# Altium PCB FPGA核心板.PcbDoc (part 2 of 3)
Units mil, origin at the board's own origin, x right, y up, seen from the top; angles counter-clockwise.
Board outline 3937.01 x 3937.01 mil, 4 copper layers (Top Layer, Layer 1, Layer 2, Bottom Layer), stack 23.756 mil thick; 164 components, 255 nets, 1024 pads, 373 vias.
Unrouted connection lines stored in the file: 1.
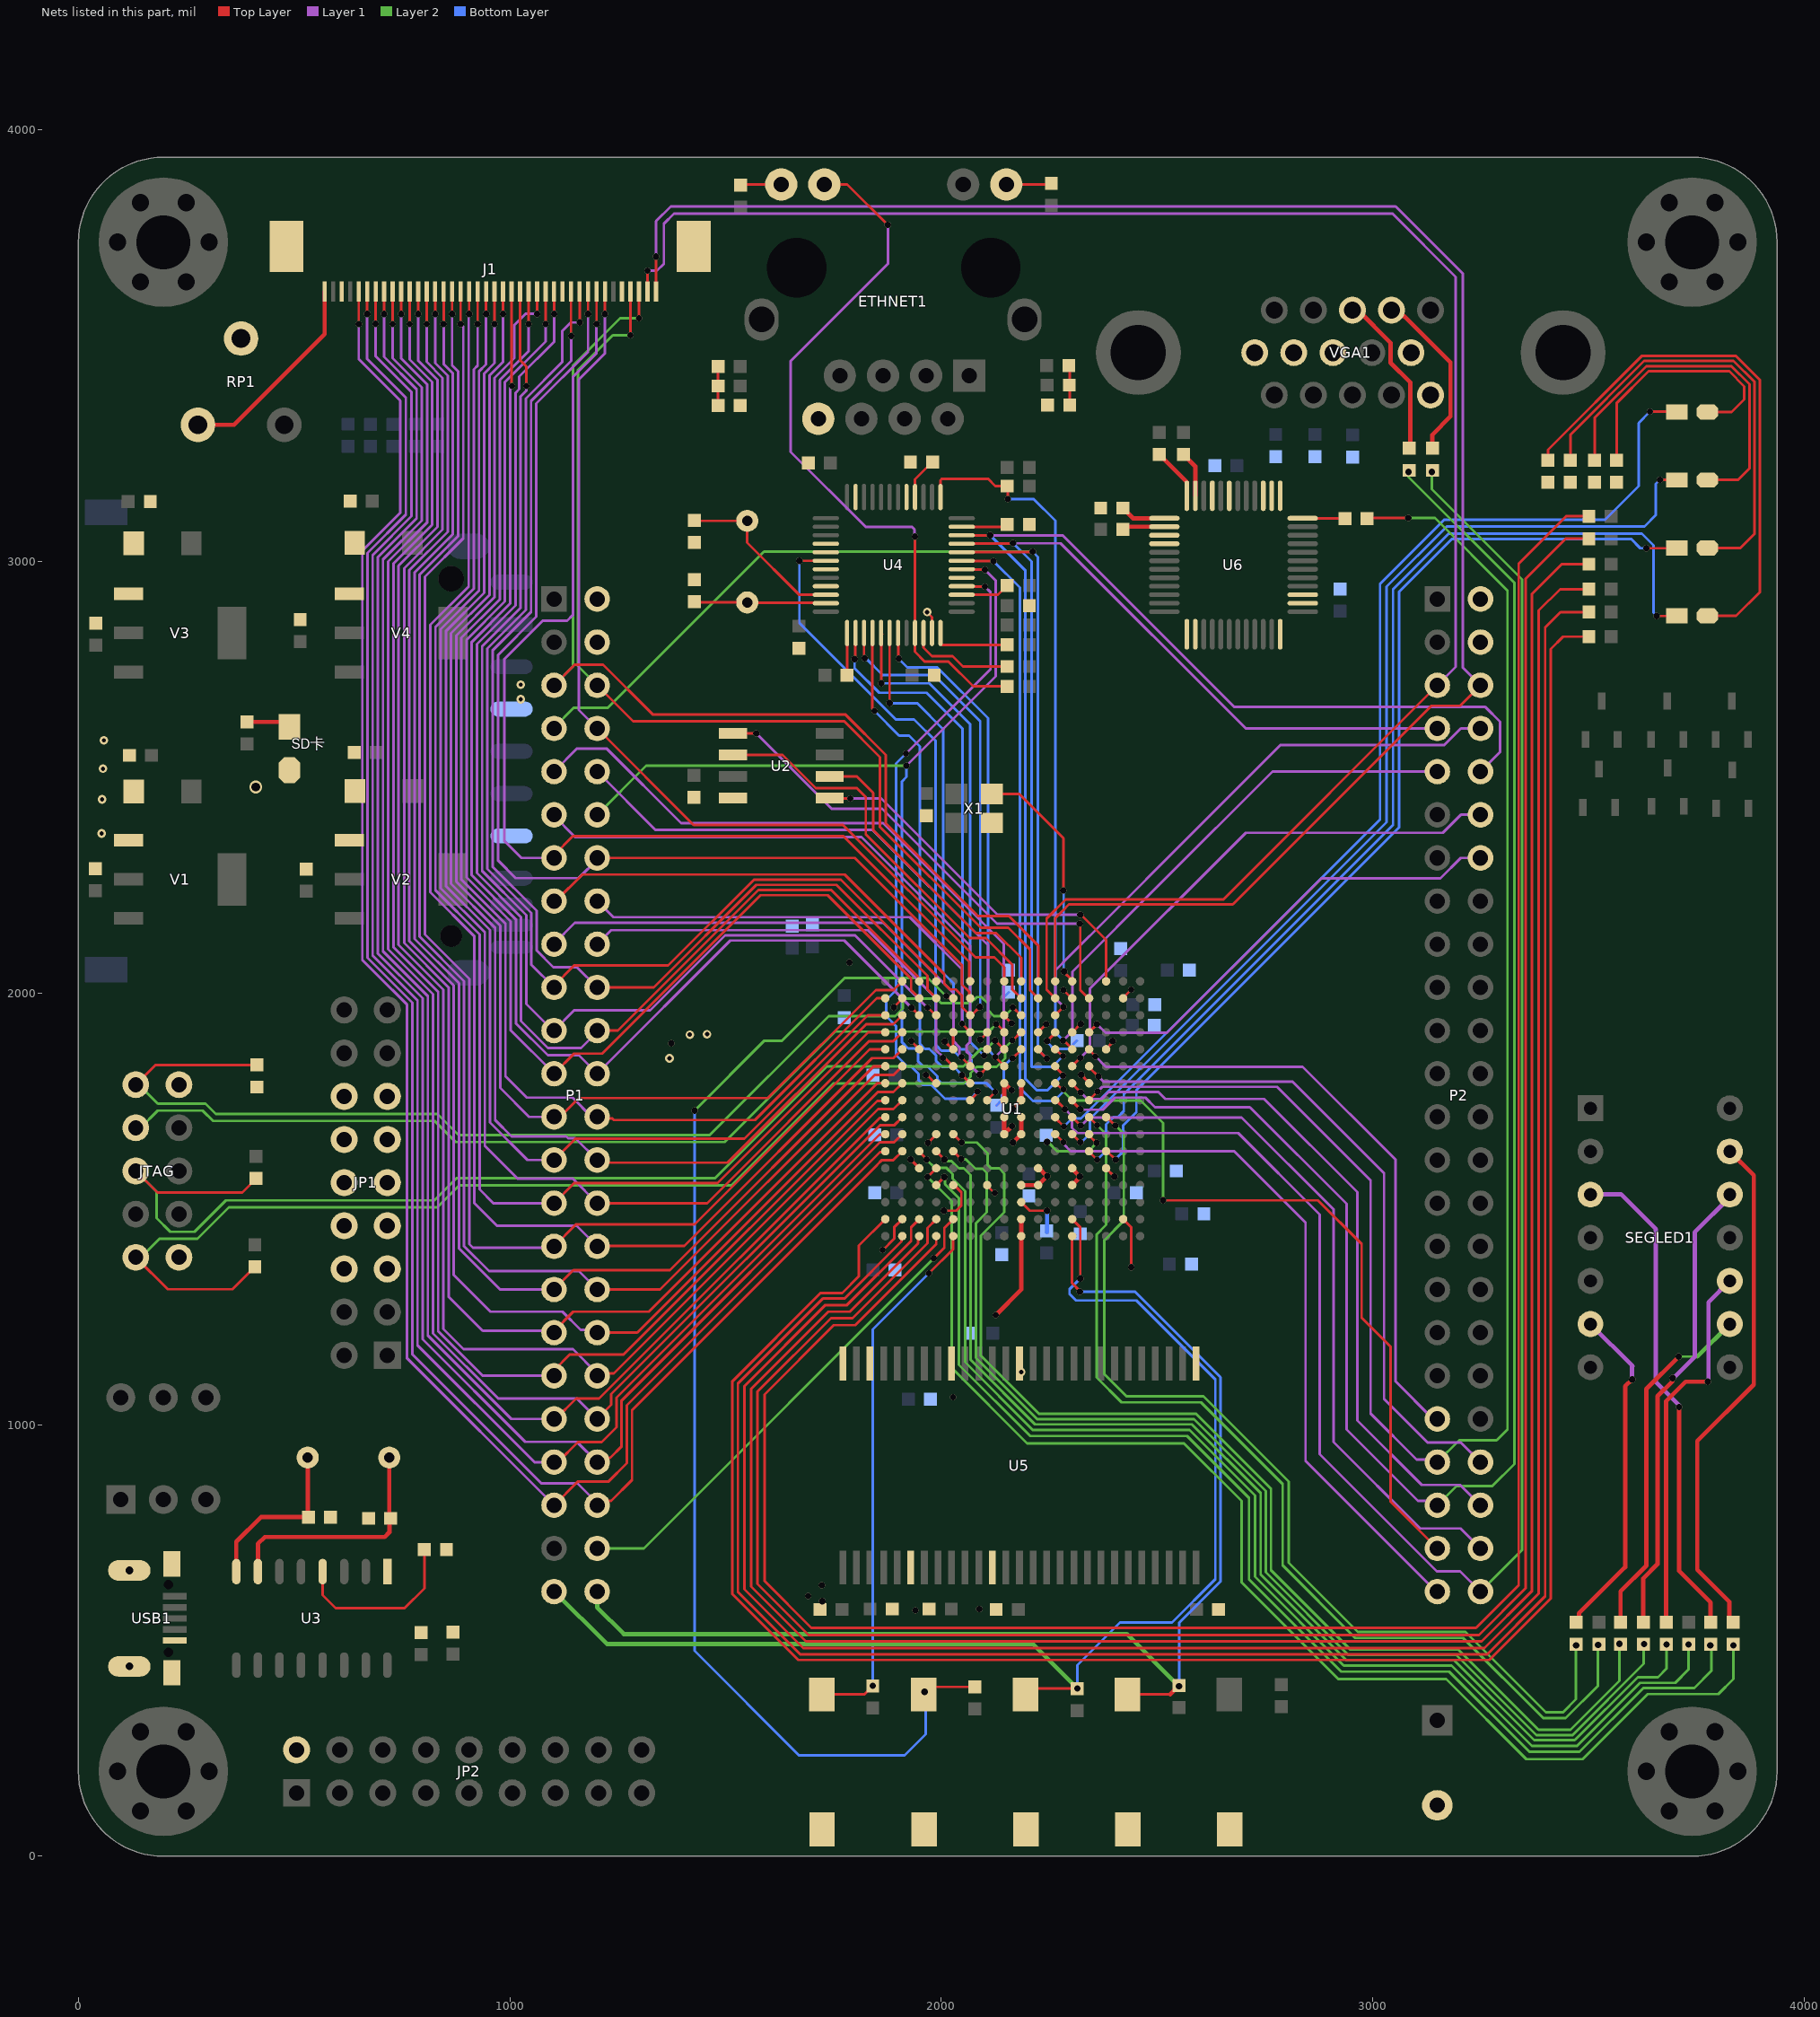
[diagram p4: the nets of this part, all layers, seen from the top]

## Via types
v1: diameter 15, hole 15, Top Layer to Bottom Layer, tented both sides, 180 vias
v2: diameter 15, hole 15, Top Layer to Bottom Layer, 151 vias
v3: diameter 20, hole 10, Top Layer to Bottom Layer, tented both sides, 34 vias
v4: diameter 30, hole 20, Top Layer to Bottom Layer, tented both sides, 8 vias

## Nets (pads, with @x,y where several pads share a name; then routed paths per layer and width w, separated by ;. In a path a pad name is that pad's centre, name@x,y a point inside that pad or via, vN(x,y) a via of type N, cw(c..) or ccw(c..) an arc to the next point about the centre after c; other vN are vias at no path point) (continued)
D4: P2.14 U1.D4 | length 1091.3
  Top Layer w6: U1.D4@2342.52,1909.45 2342.52,1909.73 2360.5,1927.71 v2(2360.5,1928)
  Layer 1 w6: v2(2360.5,1928) 2380.5,1908 2523,1908 2881.12,2266.12 3156.82,2266.12 3204.09,2313.39 P2.14@3249.61,2313.39
D5: P2.39 U1.D5 | length 1464.6
  Top Layer w6: U1.D5@2342.52,1870.08 2342.52,1868.48 2357,1854 v2(2357,1853)
  Layer 1 w6: v2(2357,1853) 2358,1853 2381.5,1829.5 2837.5,1829.5 3053,1614 3053,1100 3139.61,1013.39 P2.39@3149.61,1013.39
D6: P2.42 U1.D6 | length 1600
  Top Layer w6: U1.D6@2342.52,1830.71 2342.52,1828.48 v2(2364,1807)
  Layer 1 w6: v2@2361,1811 2361,1810 2376,1795 2814,1795 3026,1583 3026,1060 3127,959 3203.99,959 P2.42@3249.61,913.39
D8: P2.41 R18.2 U1.D8 | length 4029.9
  Top Layer w6: U1.D8@2342.52,1751.97 2342.52,1752.52 v2(2362,1772) ; R18.2@2986.59,3100 2987.59,3101 v1(3082.46,3101)
  Layer 1 w6: v2(2362,1772) 2373,1783 2778,1783 2995,1566 2995,1026 3101.59,919.41 3143.59,919.41 P2.41@3149.61,913.39
  Layer 2 w6: v1(3082.46,3101) 3144,3101 3312,2933 3312,989 3287,964 3200.22,964 P2.41@3149.61,913.39
E5: P2.9 R10.1 U1.E5 U4.25 | length 2810.3
  Top Layer w6: U4.25@1998.03,3149.59 1998.03,3188.49 2001.55,3192 2108,3192 2125,3175 R10.1@2152.82,3175 2154,3173.81 v1(2154,3145) ; v2@2284,1890 2303.15,1870.85 U1.E5@2303.15,1870.08
  Layer 1 w6: v2(2282,1890) 2304,1912 2304,2050 2507.99,2253.99 2767.39,2513.39 P2.9@3149.61,2513.39
  Bottom Layer w6: v1(2154,3145) 2214,3145 2264,3095 2264,1909 2282,1891 v2(2282,1890)
E6: P2.12 U1.E6 | length 1268.9
  Top Layer w6: U1.E6@2303.15,1830.71 2303.15,1831.15 v2(2322,1850)
  Layer 1 w6: v2(2322,1850) 2344,1872 2344,2010 2705.62,2371.62 3162.32,2371.62 3204.09,2413.39 P2.12@3249.61,2413.39
E7: P2.44 U1.E7 | length 1675.5
  Top Layer w6: U1.E7@2303.15,1791.34 2303.15,1789.85 v2(2323,1770)
  Layer 1 w6: v2(2323,1770) 2338,1755 2372,1755 2388,1771 2503,1771 2519,1755 2748,1755 2964,1539 2964,1010 3113.52,860.48 3202.51,860.48 P2.44@3249.61,813.39
E8: P2.43 R26.1 U1.E8 | length 4184.1
  Top Layer w6: U1.E8@2303.15,1751.97 2303.15,1749.85 v2(2322,1731)
  Layer 1 w6: v2@2322,1730 2374,1730 2402,1758 2473,1758 2495,1736 2715,1736 2939,1512 2939,989 3104.46,823.54 3139.45,823.54 P2.43@3149.61,813.39
  Layer 2 w6: v1(3083,3208) 3083,3196 3328,2951 3328,909 3276.77,857.77 3193.99,857.77 P2.43@3149.61,813.39
E9: P2.46 U1.E9 | length 1691.8
  Top Layer w6: U1.E9@2303.15,1712.6 2303.4,1712.6 v2(2323,1693)
  Layer 1 w6: v2(2323,1693) 2324,1693 2343,1712 2696,1712 2909,1499 2909,960 3109.23,759.77 3203.22,759.77 P2.46@3249.61,713.39
E15: KEY1.2 P1.47 R39.2 U1.E15 | length 2962
  Top Layer w6: KEY1.2@2208.83,388.59 R39.2@2315,388.59 ; U1.E15@2303.15,1476.38 2322,1457.53 v2(2322,1339)
  Top Layer w10: KEY1.2@2195.24,375 KEY1.2@2208.83,388.59
  Layer 2 w10: P1.47@1102.36,613.39 1103.61,613.39 1225,492 2212,492 v1(2315,389)
  Bottom Layer w6: v1(2315,389) 2315,443 2414,542 2535,542 2635,642 2635,1105.03 2452.03,1288 2312,1288 2297,1303 2297,1314 v2(2322,1339)
E16: KEY0.2 P1.48 R38.2 U1.E16 | length 2889.3
  Top Layer w6: U1.E16@2303.15,1437.01 2303.15,1327.85 2321,1310 v2(2321,1308) ; KEY0.2@2431.46,375 2530.42,375
  Top Layer w10: 2530.42,375 R38.2@2551,395.59
  Layer 2 w10: P1.48@1202.36,613.39 1202.36,576.64 1264,515 2430,515 v1(2551,394)
  Bottom Layer w6: v2(2321,1308) 2449,1308 2647,1110 2647,637.03 2551,541.03 v1(2551,394)
EPCS_ASDO: U1.C1 U2.5 | length 872.5
  Top Layer w6: U2.5@1741.41,2452 1742.41,2451 v1(1789,2451) ; v2(2322,2182) 2323.33,2182 2381.89,2123.45 U1.C1@2381.89,2027.56
  Layer 1 w6: v1(1789,2451) 1861,2451 2130,2182 v2(2322,2182)
EPCS_CLK: U1.H1 U2.6 | length 722.3
  Top Layer w6: U2.6@1741.41,2502 1804,2502 1842,2464 1842,2378 2080.5,2139.5 2127.3,2139.5 2185.04,2081.76 U1.H1@2185.04,2027.56
EPCS_CS: U1.D2 U2.1 | length 1169.4
  Top Layer w6: U2.1@1517,2602 v1(1571,2602) ; v2(2321,2161) 2321.99,2160.01 2321.99,2007.01 2340.81,1988.19 U1.D2@2342.52,1988.19
  Layer 1 w6: v1(1571,2602) 1746,2427 1863,2427 2129,2161 v2(2321,2161)
EPCS_DATA0: U1.H2 U2.2 | length 985.5
  Top Layer w6: U2.2@1517,2552 1631.75,2552 1708.75,2475 1804,2475 1825,2454 1825,2368 2065.5,2127.5 2103,2127.5 2164.51,2065.99 2164.51,2008.72 U1.H2@2185.04,1988.19
ETH_RESET: P1.17 U1.L6 U4.42 | length 2610.9
  Top Layer w6: v1(1671,3002) U4.42@1732.3,3001.97 ; v2(2047,1852) 2047,1851.07 2066.93,1831.14 U1.L6@2066.93,1830.71
  Layer 1 w6: P1.17@1102.36,2113.39 1102.36,2114.85 1150.51,2163 1865.47,2163 2028.07,2000.4 2028.07,1986.73 2028.03,1986.7 2028.03,1888.97 2042,1875 2042,1859.44 2047,1854.44 v2(2047,1852)
  Bottom Layer w6: v1(1671,3002) 1671,2857.67 1894.67,2634 1937,2634 1987,2584 1987,1880 2000,1867 2028.03,1867 2043.03,1852 v2(2047,1852)
ETH_RXC: U1.L8 U4.16 | length 1528.7
  Top Layer w6: U4.16@2047.23,2942.91 2047.68,2942.46 2100.54,2942.46 v1(2101,2942) ; U1.L8@2066.93,1751.97 2082.28,1767.32 2082.28,1770.28 v2(2084,1772)
  Layer 1 w6: v1(1918,2555) 2114,2751 2114,2929 v1(2101,2942)
  Bottom Layer w6: v1(1918,2555) 1895,2532 1895,2007 1872,1984 1872,1946.5 1895,1923.5 1895,1856 1921,1830 1930,1830 1947,1813 1947,1798 1957,1788 1976,1788 2008.5,1755.5 2067.5,1755.5 v2(2084,1772)
ETH_RXD0: P2.7 U1.F5 U4.21 | length 2621.3
  Top Layer w6: U4.21@2047.23,3041.34 2047.96,3042.07 2165.07,3042.07 v1(2166,3043) ; U1.F5@2263.78,1870.08 2264.92,1870.08 2281,1854 v2(2282,1854)
  Layer 1 w6: v1@2165.54,3042.54 2276.46,3042.54 2705.61,2613.39 P2.7@3149.61,2613.39
  Bottom Layer w6: v1(2166,3043) 2209,3000 2209,1829 2257,1829 v2(2282,1854)
ETH_RXD1: P1.7 U1.G5 U4.20 | length 2663.8
  Top Layer w6: U4.20@2047.23,3021.65 2047.9,3022.33 2211.33,3022.33 v1(2212,3023) ; U1.G5@2224.41,1870.08 2224.41,1868.83 v2(2244.72,1848.51)
  Layer 2 w6: P1.7@1102.36,2613.39 1102.36,2615.36 1148,2661 1227,2661 1589,3023 v1(2212,3023)
  Bottom Layer w6: v1(2212,3023) 2224,3011 2224,1869.23 v2(2244.72,1848.51)
ETH_RXD2: P2.45 U1.F7 U4.19 | length 3199.2
  Top Layer w6: U4.19@2047.23,3001.97 2047.71,3001.48 2120.52,3001.48 v1(2121,3001) ; U1.F7@2263.78,1791.34 2265.66,1791.34 2280,1777 v2(2283,1777) ; v1(2514,1520) 2873,1520 2974,1419 2974,1248 3041,1181 3041,821.99 P2.45@3149.61,713.39
  Layer 2 w6: v2(2283,1777) 2283,1772 2304,1751 2462,1751 2514,1699 v1(2514,1520)
  Bottom Layer w6: v1(2121,3001) 2182,2940 2182,1779 2183,1779 2212,1750 2261,1750 2283,1772 v2(2283,1777)
ETH_RXD3: P1.12 U1.K8 U4.18 | length 2321.5
  Top Layer w6: U4.18@2047.23,2982.28 2047.87,2981.64 2100.36,2981.64 v1(2101,2981) ; U1.K8@2106.3,1751.97 2106.3,1752.3 v2(2125,1771)
  Layer 1 w6: v1(1919,2527) 2126,2734 2126,2956 v1(2101,2981)
  Layer 2 w6: P1.12@1202.36,2413.39 1315.98,2527 v1(1919,2527)
  Bottom Layer w6: v1(1919,2527) 1919,2501 1909,2491 1909,1886 1923,1872 1940,1872 1946.51,1865.49 1946.51,1860.51 1946.42,1860.42 1946.42,1841.58 1958,1830 1968,1830 1990.5,1807.5 1990.5,1801.17 2000.17,1791.5 2104.5,1791.5 v2(2125,1771)
ETH_RXDV: P2.10 U1.F6 U4.22 | length 2996.2
  Top Layer w6: U4.22@2047.23,3061.02 v1(2113,3061) ; U1.F6@2263.78,1830.71 2263.78,1829.22 2282,1811 v2(2282,1809)
  Layer 1 w6: v1(2113,3061) 2281,3061 2679,2663 3261,2663 3295,2629 3295,2558.78 P2.10@3249.61,2513.39
  Bottom Layer w6: v1(2113,3061) 2195,2979 2195,1801 2221,1775 2246,1775 2280,1809 v2(2282,1809)
ETH_TXC: P1.9 U1.J6 U4.7 | length 2669.3
  Top Layer w6: U4.7@1899.61,2834.66 1900.3,2833.96 1900.3,2776.2 v1(1901.5,2775) ; v2(2125,1852) 2145.67,1831.33 U1.J6@2145.67,1830.71
  Layer 1 w6: P1.9@1102.36,2513.39 1155.98,2567 1224,2567 1397,2394 1865,2394 2145,2114 2145,1872 v2(2125,1852)
  Bottom Layer w6: v1(1901.5,2775) 1901.5,2774.5 1921,2755 1990.44,2755 2108,2637.44 2108,1869.33 2125,1852.33 v2(2125,1852)
ETH_TXD0: P1.11 U1.K6 U4.6 | length 2589
  Top Layer w6: U4.6@1879.92,2834.66 1881,2833.58 1880,2832.58 v1(1880,2672) ; v2(2089,1811) 2106.3,1828.3 U1.K6@2106.3,1830.71
  Layer 1 w6: P1.11@1102.36,2413.39 1102.36,2410.64 1151,2362 1815,2362 2067,2110 2067,1887 2058,1878 2058,1865 2067,1856 2067,1833 v2(2089,1811)
  Bottom Layer w6: v1(1880,2672) 1944,2672 2004.5,2611.5 2004.5,2046.5 2028.07,2022.93 2028.07,1986.73 2028.03,1986.7 2028.03,1887.63 2045.67,1870 2056.03,1870 2070,1856.03 2070,1830 v2(2089,1811)
ETH_TXD1: P1.10 U1.K5 U4.5 | length 2495.4
  Top Layer w6: U4.5@1860.24,2834.66 1863,2831.9 1861,2829.9 v1(1861,2718) ; v2(2099,1855) 2100.72,1856.72 2100.72,1860.8 2105.92,1866 U1.K5@2105.92,1870.08
  Layer 1 w6: P1.10@1202.36,2513.39 1337.75,2378 1841,2378 2108,2111 2108,1867 2099,1858 v2(2099,1855)
  Bottom Layer w6: v1(1861,2718) 1972.28,2718 2067,2623.28 2067,1887 v2(2099,1855)
ETH_TXD2: U1.L7 U4.4 | length 1173.4
  Top Layer w6: U4.4@1840.55,2834.66 1839.82,2833.93 1839.82,2659.18 v1(1844.91,2654.09) ; v2(2048,1810) 2066.66,1791.34 U1.L7@2066.93,1791.34
  Bottom Layer w6: v1(1844.91,2654.09) 1902,2597 1924.99,2597 1950,2571.99 1950,1883 1962,1871 1972.33,1871 1987.5,1855.83 1987.5,1843.17 2001.67,1829 2029,1829 v2(2048,1810)
ETH_TXD3: P1.15 U1.L3 U4.3 | length 2233.7
  Top Layer w6: P1.15@1102.36,2213.39 1106.39,2213.39 1167.86,2274.86 1479.32,2274.86 1479.46,2275 1776,2275 2007.03,2043.97 2007.03,2021.44 2019.75,2008.72 2033.68,2008.72 2048.09,1994.31 2048.09,1967.66 U1.L3@2066.93,1948.82 2069.82,1948.82 v2(2089,1968) ; U4.3@1820.87,2834.66 1820.87,2777.63 v1(1822.5,2776)
  Bottom Layer w6: v1(1822.5,2776) 1825,2776 1864,2737 1982.98,2737 2090,2629.98 2090,1969 v2(2089,1968)
ETH_TXEN: P1.16 U1.L4 U4.2 | length 2139.6
  Top Layer w6: v1(1799,2774.25) 1800.45,2775.69 1800.45,2833.93 U4.2@1801.18,2834.66 ; v2(2048,1929) 2066.93,1910.07 U1.L4@2066.93,1909.45
  Layer 1 w6: P1.16@1202.36,2213.39 1239.75,2176 1927,2176 2048,2055 v2(2048,1929)
  Bottom Layer w6: v1(1799,2774.25) 1799,2753 1856,2696 1966,2696 2049,2613 2049,1930 v2(2048,1929)
F1: J1.40 P2.6 U1.F1 | length 4437.8
  Top Layer w6: J1.40@1338.58,3626.05 1339,3626.47 v1(1339,3707) ; U1.F1@2263.78,2027.56 2263.78,2173.78 2280.24,2190.24 2295.5,2205.5 2675.5,2205.5 3136,2666 3202.22,2666 P2.6@3249.61,2713.39
  Layer 1 w6: v1(1339,3707) 1339,3789 1373,3823 3053,3823 3209,3667 3209,2753.99 P2.6@3249.61,2713.39
F2: J1.39 P2.5 U1.F2 | length 4377.2
  Top Layer w6: J1.39@1318.9,3626.05 1319,3626.15 v1(1319,3674) ; U1.F2@2263.78,1988.19 2244,2007.97 2244,2173 2288.5,2217.5 2653.72,2217.5 P2.5@3149.61,2713.39
  Layer 1 w6: v1(1319,3674) 1341,3674 1357,3690 1357,3782.96 1380.04,3806 3045.96,3806 3192,3659.96 3192,2755.78 P2.5@3149.61,2713.39
F3: P2.8 U1.F3 | length 1337.8
  Top Layer w6: U1.F3@2263.78,1948.82 v2(2283,1968)
  Layer 1 w6: v2(2283,1968) 2283,1969 2264,1988 2264,2053 2298,2087 2391,2180 2557,2346 2785.86,2574.86 3165.56,2574.86 3204.09,2613.39 P2.8@3249.61,2613.39
F8: P2.48 R25.1 U1.F8 | length 4524.6
  Top Layer w6: U1.F8@2263.78,1751.97 2266.03,1751.97 2286,1732 v2(2286,1731)
  Layer 1 w6: v2@2283,1734 2284,1734 2303,1715 2303,1688 2315,1676 2688,1676 2877,1487 2877,931.51 3148.02,660.48 3202.51,660.48 P2.48@3249.61,613.39
  Layer 2 w6: v1(3137,3208) 3137,3167.46 3346,2958.46 3346,709.78 P2.48@3249.61,613.39
F10: P2.47 U1.F10 | length 1650.6
  Top Layer w6: U1.F10@2263.78,1673.23 2264.03,1673.23 2282.75,1654.5 v2(2283,1654.5)
  Layer 1 w6: v2(2283,1654.5) 2283,1651 2300,1634 2678.67,1634 2844,1468.67 2844,916 3146.61,613.39 P2.47@3149.61,613.39
FPGA_CLK: U1.E1 X1.3 | length 552.3
  Top Layer w6: X1.3@2117.34,2461.46 2180.54,2461.46 2283,2359 2283,2238.5 v1(2282.5,2238) ; v2(2284.67,2050.33) 2283.59,2049.26 2303.15,2029.7 U1.E1@2303.15,2027.56
  Layer 2 w6: v1(2282.5,2238) v1@2283.83,2236.67 ; v2@2283.83,2051.17 v2(2284.67,2050.33)
  Bottom Layer w6: v1(2282.5,2238) 2283.58,2236.92 2283.58,2051.42 v2(2284.67,2050.33)
FPGA_TCK: JTAG.1 R2.2 U1.H3 | length 2594.3
  Top Layer w6: JTAG.1@133,1788 178.59,1833.59 R2.2@414,1833.59 ; v2(2165.5,1967) 2166.18,1967 2184.36,1948.82 U1.H3@2185.04,1948.82
  Layer 2 w6: JTAG.1@133,1788 140,1788 184,1744 294.63,1744 318.63,1720 832,1720 881,1671 1463.09,1671 1739.09,1947 1893.14,1947 1910.73,1964.59 1910.73,1980.73 1917,1987 1989.53,1987 1999.47,1977.07 2068.07,1977.07 2082,1991 2093,1991 2108,1976 2108,1961 2122,1947 2147,1947 2165.5,1965.5 v2(2165.5,1967)
FPGA_TDI: JTAG.9 R1.2 U1.H4 | length 2618.2
  Top Layer w6: JTAG.9@133,1388 207,1314 357.18,1314 R1.2@409,1365.82 R1.2@407.5,1367.32 ; v2(2164.51,1890.51) 2165.31,1890.51 2183.55,1908.75 2183.55,1909.45 U1.H4@2185.04,1909.45
  Layer 2 w6: JTAG.9@133,1388 145,1388 188,1431 275.63,1431 348.63,1504 831.63,1504 882.63,1555 1513.97,1555 1749.97,1791 2052.33,1791 2068,1806.67 2068,1815.03 2081.97,1829 2128,1829 2148,1849 2148,1874 v2(2164.51,1890.51)
FPGA_TDO: JTAG.3 U1.J4 | length 2181.3
  Top Layer w6: v2(2127,1928) 2129,1928 2145.67,1911.33 U1.J4@2145.67,1909.45
  Layer 2 w6: JTAG.3@133,1688 144,1688 184,1728 288,1728 312,1704 825.37,1704 874.37,1655 1498,1655 1754,1911 2110,1911 v2(2127,1928)
FPGA_TMS: JTAG.5 R3.2 U1.J5 | length 2611.9
  Top Layer w6: JTAG.5@133,1588 183,1538 379.58,1538 R3.2@412,1570.41 R3.2@412.14,1570.27 ; v2(2124.5,1890) 2125.12,1890 2145.05,1870.08 U1.J5@2145.67,1870.08
  Layer 2 w6: JTAG.5@133,1588 181,1540 181,1479 213,1447 269,1447 342,1520 825,1520 876,1571 1474.81,1571 1734.31,1830.5 2051.17,1830.5 2092.17,1871.5 2105.5,1871.5 2124,1890 v2(2124.5,1890)
G1: J1.38 P1.5 U1.G1 | length 2607.3
  Top Layer w6: P1.5@1102.36,2713.39 1150,2761 1216,2761 1331,2646 1776.97,2646 1871,2551.97 1871,2393.47 2081.49,2182.99 2081.49,2182 2085,2178.49 2156.55,2178.49 2224.41,2110.63 U1.G1@2224.41,2027.56 ; v1(1299.21,3563.79) J1.38@1299.21,3626.05
  Layer 2 w6: P1.5@1102.36,2713.39 1146,2757.02 1146,3454 1255.79,3563.79 v1(1299.21,3563.79)
G2: J1.37 P1.6 U1.G2 | length 2477.9
  Top Layer w6: P1.6@1202.36,2713.39 1285.75,2630 1775,2630 1858,2547 1858,2385 2091.5,2151.5 2155.37,2151.5 2205.57,2101.3 2205.57,2007.03 U1.G2@2224.41,1988.19 ; v1(1279.53,3524.53) J1.37@1279.53,3626.05
  Layer 2 w6: P1.6@1202.36,2713.39 1158,2757.75 1158,3444 1238.53,3524.53 v1(1279.53,3524.53)
GND: C1.1 C2.1 C3.1 C4.1 C6.1 C7.1 C8.1 C10.1 C11.1 C12.1 C13.1 C14.1 C15.1 C16.1 C19.1 C20.1 C21.1 C22.1 C23.1 C24.1 C25.2 C26.1 C27.1 C28.2 C29.2 C30.2 C31.1 C32.1 C33.2 C34.2 C35.1 C36.1 C39.1 C40.1 C41.1 C42.1 C43.1 C44.2 C45.2 C46.2 C47.2 C48.2 C49.1 C50.1 C52.1 C53.1 C54.1 C55.1 C56.1 C57.2 C58.2 E1.2 E2.2 E3.2 E4.2 ETHNET1.8 J1.3 J1.29 J1.36 J1.A J1.B JP1.5 JP1.6 JP1.7 JP1.8 JP1.9 JP1.10 JP1.11 JP1.12 JP1.13 JP1.14 JP2.2 JTAG.2 JTAG.10 KEY0.1 KEY1.1 KEY2.1 KEY3.1 LED1.2@489,2517 LS1.2 P1.2 P1.4 P2.2 P2.4 R2.1 R4.1 R12.2 R13.2 R14.1 R30.1 R31.1 R32.1 R33.1 R34.1 R35.1 R36.1 RP1.2 SD卡.3 SD卡.6 SET.1 U1.B2 U1.B15 U1.C5 U1.C12 U1.D7 U1.D10 U1.E2 U1.E4 U1.E12 U1.E13 U1.G4 U1.G12 U1.G13 U1.H7 U1.H8 U1.H9 U1.H10 U1.H13 U1.H15 U1.H16 U1.J7 U1.J8 U1.J9 U1.J10 U1.K4 U1.K13 U1.M4 U1.M5 U1.M13 U1.N7 U1.N10 U1.P5 U1.P12 U1.R2 U1.R15 U2.4 U3.1 U4.11 U4.17 U4.29 U4.35 U4.40 U4.41 U4.43 U4.45 U5.6 U5.12 U5.28 U5.41 U5.46 U5.52 U5.54 U6.1 U6.2 U6.12 U6.14 U6.15 U6.25 U6.26 U6.27 U6.31 U6.33 U6.39 U6.40 USB1.5 V1.1 V2.1 V3.1 V4.1 VGA1.5 VGA1.6 VGA1.7 VGA1.8 VGA1.10 X1.2 | length 1640.8
  Top Layer w6: J1.29@1122.08,3626.08 J1.29@1123,3625.16 ; v2(1864,1405) 1864.72,1405 1890.61,1430.89 1890.61,1457.54 U1.R15@1909.45,1476.38 ; v2(1889.9,1967.1) 1889.9,1967.87 1909.45,1987.42 U1.R2@1909.45,1988.19 ; v2(1929,1614.5) 1929,1614.4 1948.82,1594.58 U1.P12@1948.82,1594.49 ; v2(1930.5,1889) 1930.5,1888.7 1948.82,1870.38 U1.P5@1948.82,1870.08 ; v2(1964.17,1810.5) 1966.6,1810.5 1985.76,1791.34 U1.N7@1988.19,1791.34 ; v3(1967,2883) 1978.35,2871.65 U4.11@1978.35,2834.66 ; v2(1969,1653) 1988.19,1672.19 U1.N10@1988.19,1673.23 ; v1(2006,1496) 2034.46,1496 2046.4,1507.94 2046.4,1538.6 2029.88,1555.12 U1.M13@2027.56,1555.12 ; v2(2008,1888) 2025.92,1870.08 U1.M5@2027.56,1870.08 U1.M4@2027.56,1909.45 ; v1(2090,1892) 2106.3,1908.3 U1.K4@2106.3,1909.45 ; U1.K13@2106.3,1555.12 2106.3,1553.7 2123,1537 v2(2124,1537) ; U1.G4@2224.41,1909.45 v2(2243,1928) ; v2(2283,2007) 2301.81,1988.19 U1.E2@2303.15,1988.19 ; U1.E4@2303.15,1909.45 2303.55,1909.45 2322.6,1928.5 v2(2323,1928.5) ; v2(2324,1811) 2342.52,1792.48 U1.D7@2342.52,1791.34 ; U1.D10@2342.52,1675.52 U1.D10@2342.52,1673.23 2342.52,1670.48 v2(2360,1653) ; U1.C12@2381.89,1594.49 2381.89,1594.11 v2(2401,1575) ; U1.C5@2381.89,1870.08 2381.89,1870.89 2397,1886 v2(2397,1889) ; U1.B15@2421.26,1476.38 2440.1,1457.54 v2(2440.1,1365.1) v2@2439,1364 ; U1.B2@2421.26,1988.19 2421.26,1989.26 v2(2440,2008)
  Top Layer w10: v2(2126,1254) 2185.04,1313.04 U1.H16@2185.04,1437.01 U1.H15@2185.04,1476.38 ; U1.J10@2145.67,1673.23 U1.J10@2145.67,1673.67 ; U1.J9@2145.67,1712.6 U1.J10@2145.67,1673.67 ; U1.J8@2145.67,1751.97 U1.J7@2145.67,1791.34 2146.66,1791.34 v2(2163,1775) ; v2(2164,1692) U1.J10@2145.67,1673.67 ; v2(2165,1732) U1.H8@2185.04,1751.97 ; v2(2166,1654) 2185.04,1673.04 U1.H10@2185.04,1673.23 2185.04,1711.96 U1.H9@2184.4,1712.6 ; U1.H13@2185.04,1555.12 U1.G13@2224.41,1555.12 2224.65,1555.12 2245.53,1576 2244.41,1576 2225.92,1594.49 U1.G12@2224.41,1594.49 ; U1.H8@2185.04,1751.97 U1.H7@2185.04,1791.34 ; U1.E13@2303.15,1555.12 2303.15,1555.63 2321,1573.48 2321,1575.32 2303.15,1593.17 U1.E12@2303.15,1594.49